# Allegro board board_orcad.brd (continued)
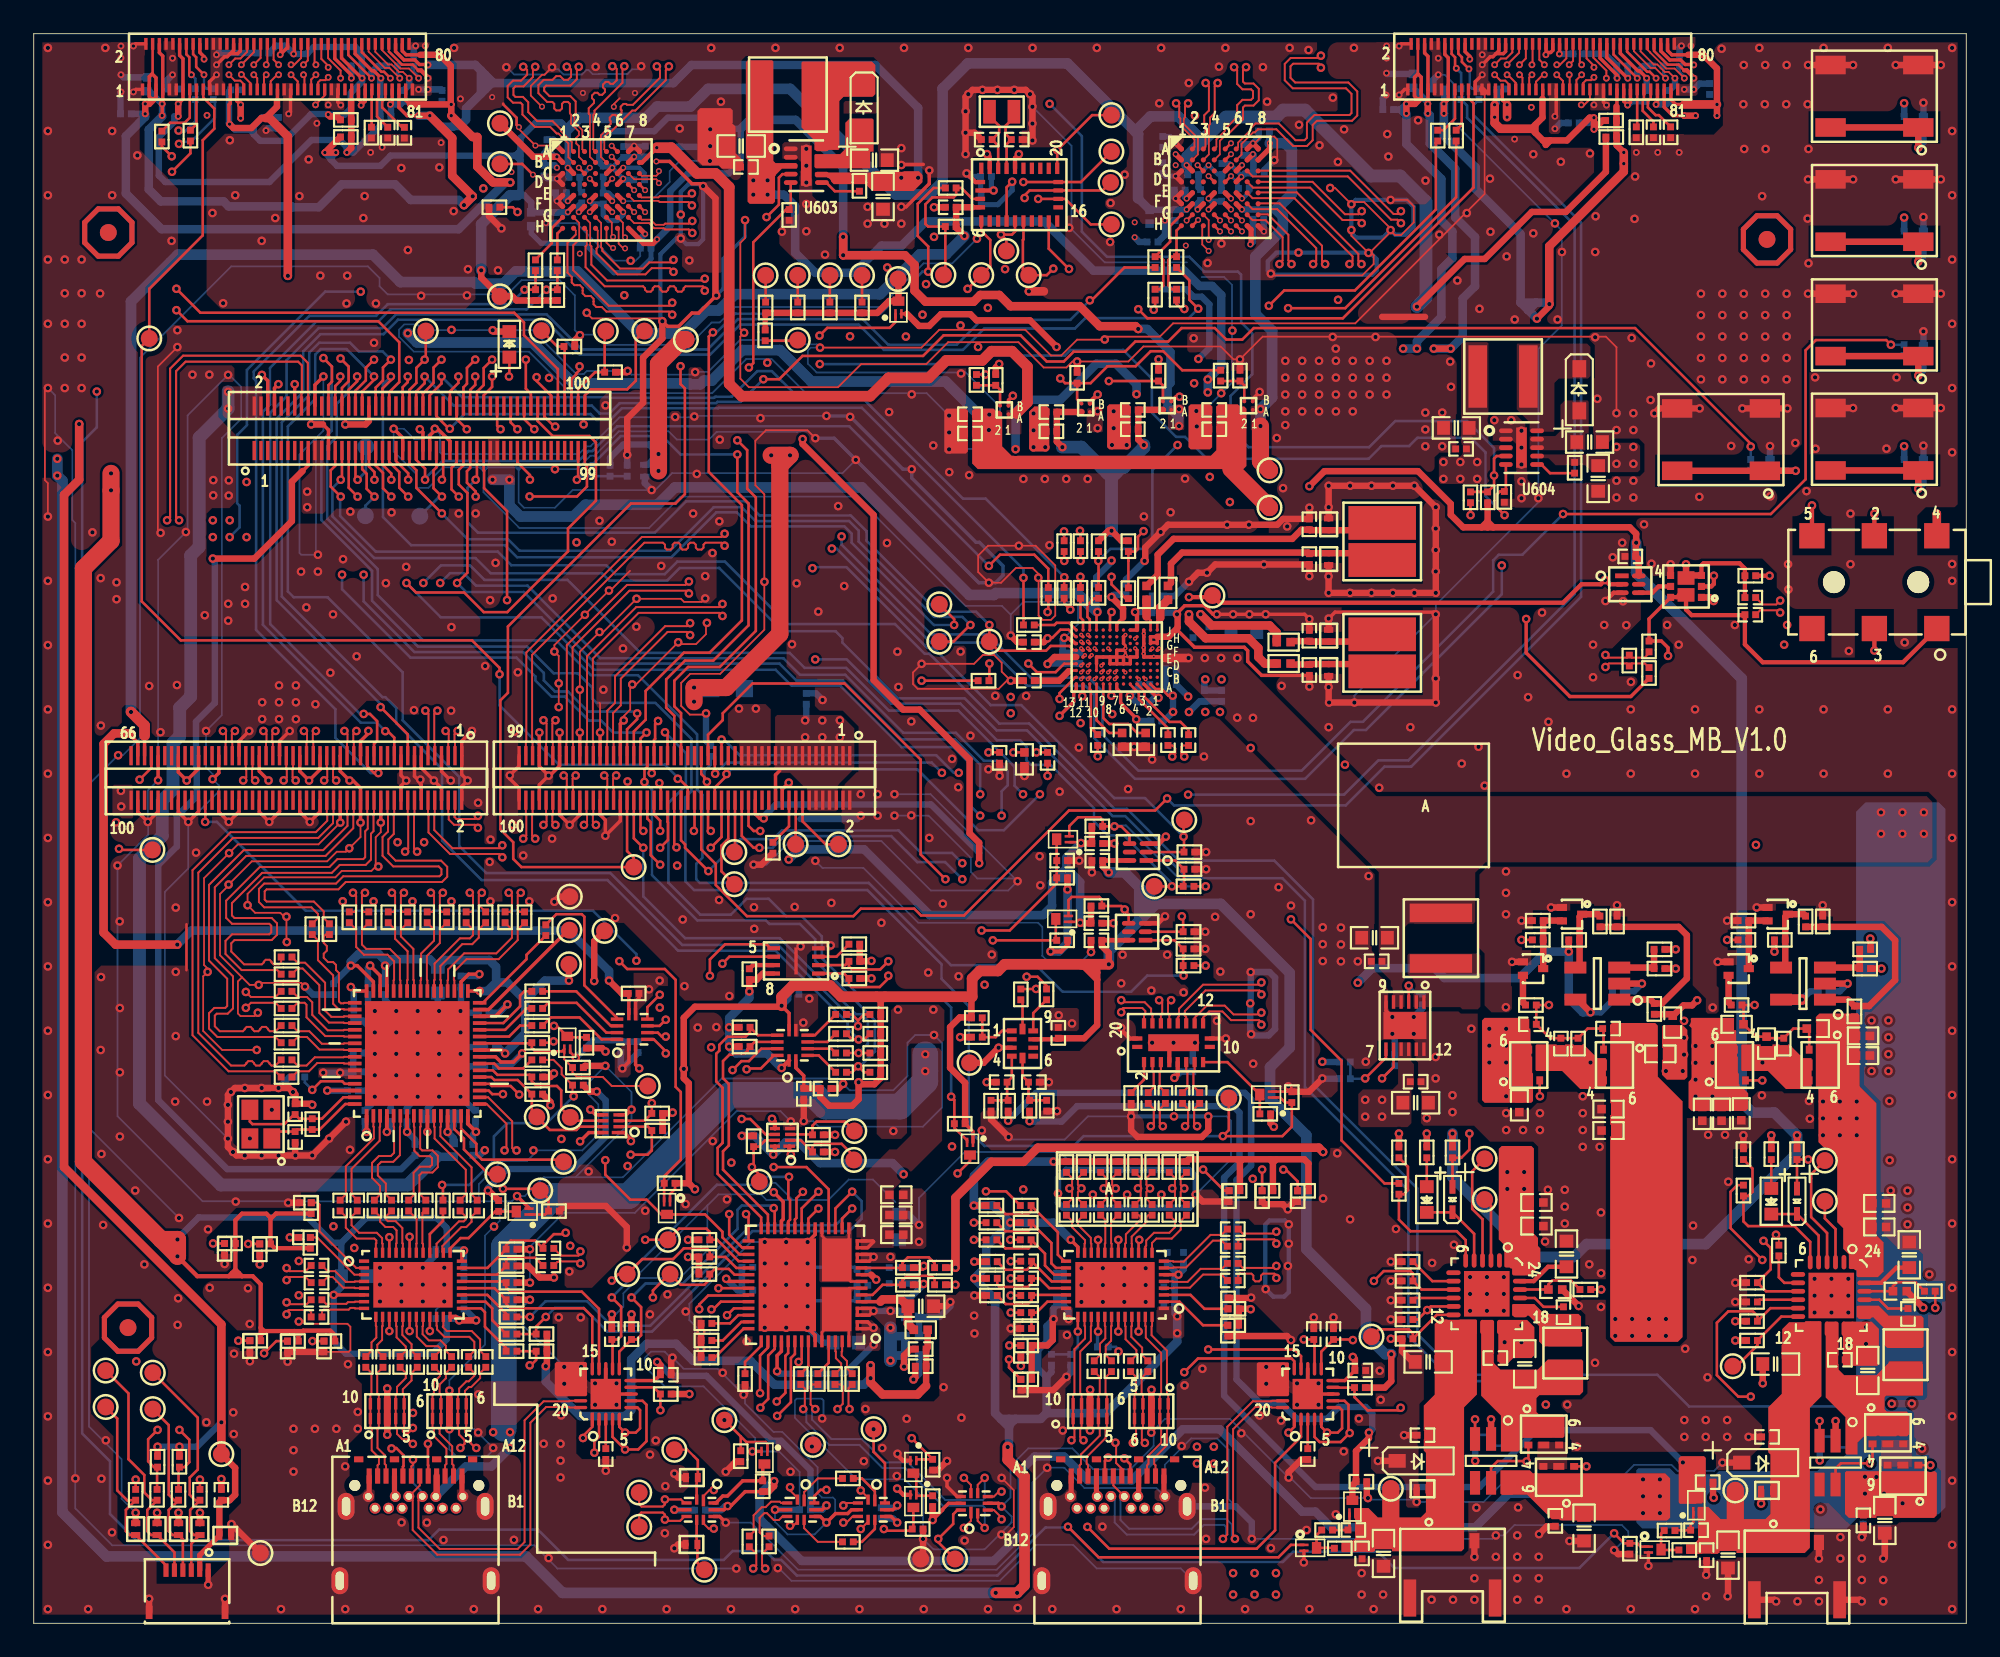
[diagram p0: board, top side]
## Routing (per net, layer and track width the routed paths; a pad name or vN(x,y) marks a point on that pad's centre or on a via; arc(x,y) is an arc through that point) (continued)
  ART06 w0.122: v1(43.94,6.73) 43.94,5.59 44.45,5.08 45.82,5.08 46.81,4.09 51.9,4.09 52.72,4.9 v1(52.72,5)
  ART06 w0.152: v1(62.1,21.05) v1(63.37,21.05) v1(64.64,21.05) v1(65.91,21.05) ; v1(68.87,25.42) 68.87,24.45 66.67,22.25 59.56,22.25 59.39,22.07 57.56,22.07 57.2,21.72 57.2,20.35 57.58,19.96 62.02,19.96 v1(62.1,20.05)
  ART06 w0.203: v1(69.44,41) 69.44,42.14 70.03,42.72 70.03,50.72 v1(69.37,51.38) ; v1(65.91,21.05) 67.46,21.05 72.26,25.85 v1(72.26,26.35) 72.26,33.15 v1(72.28,33.17) 72.16,33.17 v1(70.67,34.67) 70.67,36.48 71.75,37.57 71.75,38.23 v1(72.14,38.61) v1(72.14,42.03) v1(72.14,47.55) v1(72.14,51.89) 71.02,53.01 67.13,53.01 66.29,52.17 v1(66.29,51.21) ; v1(61.95,51.92) 62.76,51.92 64.97,54.13 v1(64.97,54.99) 65.43,54.99 ; v1(69.44,39.98) 70.08,39.34 70.08,38.46 68.83,37.21 v1(68.83,34.42) 68.83,33.45 71.06,31.22 71.06,26.77 69.71,25.42 v1(68.87,25.42)
  ART06 w0.254: v1(69.37,51.38) 68.55,50.57 66.93,50.57 v1(66.29,51.21)
  ART06 w0.381: 72.2,5.23 v1(72.2,5) 72.2,4.7 71.82,4.32 70.18,4.32 v1(69.49,5) 69.49,5.23 69.87,5.61 71.82,5.61 72.2,5.23
  BOTTOM w0.102: v1(40.08,86.69) 40.07,86.7 38.31,86.7 37.7,86.09 37.7,85.45 36.56,84.31 v2(34.94,84.31) ; v1(29.41,19.18) 28.91,18.67 28.91,17.75 31.45,15.21 v1(31.45,15.2) ; v1(45.64,29.77) 46.2,29.77 46.53,29.44 52.7,29.44 53.85,30.58 53.85,34.39 v1(53.37,34.87) 52.25,34.87 51.79,34.42 51.79,32.44 50.95,31.6 48.36,31.6 v1(47.98,31.98) 47.67,32.29 40.78,32.29 34.92,26.44 32.12,26.44 ; 58.16,44.16 55.93,44.16 55.54,44.54 55.54,45.37 53.04,47.88 v1(51.02,47.88) ; 58.16,44.16 53.16,49.15 v1(51.02,49.15) ; 58.16,44.16 v1(58.32,43.99) 57.76,43.44 53.18,43.44 50.25,46.38 44.84,46.38 43.44,44.97 v1(42.67,44.97) ; 32.12,26.44 35.43,29.76 v1(35.43,30.45) 35.43,31.5 v1(33.88,33.05) 32.89,32.05 32.89,31.34 33.47,30.76 33.47,28.99 32.51,28.03 v1(29.62,28.03) 29.62,27.79 29.25,27.42 27.77,27.42 26.39,26.04 26.39,25.04 26.41,25.02 ; 32.12,26.44 30.23,26.44 29.11,25.32 v1(28.65,25.32) 28.35,25.02 ; 28.35,25.02 27.62,24.3 27.62,23.86 v1(27.28,23.52) 26.75,22.98 26.75,16.51 24.64,14.4 v1(24.64,13.79) ; 28.35,25.02 26.41,25.02 ; v1(46.99,71.58) 43.21,71.58 v1(43.08,71.45) 42.95,71.58 39.19,71.58 v1(39.16,71.54) 39.11,71.5 34.72,71.5 33,69.77 32.77,69.77 32.31,69.32 24.18,69.32 24.08,69.42 24.08,70.51 v1(23.77,70.82) 23.75,70.82 23.14,70.21 22.56,70.21 21.95,70.82 v1(21.34,70.82) 21.34,69.47 22.66,68.15 22.66,67.41 22.76,67.31 23.39,67.31 23.7,67.61 23.7,67.97 24.26,68.53 26.47,68.53 ; v1(0.84,73.23) 1.27,72.8 1.27,70.56 2.29,69.55 2.29,65.41 2.46,65.23 v1(2.46,8.59) 2.46,6.81 4.65,4.62 29.67,4.62 31.05,3.24 v1(41.65,3.24) ; v1(34.26,18.31) 34.49,18.31 34.95,18.77 34.95,19.56 35.86,20.47 ; v1(61.09,58.42) 61.9,59.23 61.9,60.29 61.63,60.55 58.67,60.55 57.91,59.8 ; v1(28.01,92.25) 28.05,92.25 28.48,91.82 30.29,91.82 v1(30.72,92.25) 30.83,92.25 30.95,92.13 31.1,92.13 31.41,91.82 32.5,91.82 32.77,92.08 32.89,92.08 33.13,91.84 33.49,91.84 33.5,91.85 35.2,91.85 35.47,92.13 35.83,92.13 v1(36.01,92.31) ; 39.93,24.77 35.86,20.7 35.86,20.47 ; 39.93,24.77 40.59,25.43 43.1,25.43 ; 39.93,24.77 39.93,22.1 38.3,20.47 35.86,20.47 ; J502.4 67.99,3.25 63.01,3.25 61.62,4.64 59.39,4.64 57.27,2.52 44.91,2.52 44.16,3.27 v1(44.1,3.27) ; 28.82,68.45 28.75,68.37 28.75,68.37 ; 28.82,68.45 28.81,68.46 28.66,68.46 ; 28.82,68.45 28.91,68.53 ; 16.73,70.26 16.73,63.46 v1(16.85,63.35) 15.85,63.35 15.75,63.45 15.75,69.29 16.73,70.26 ; 16.73,70.26 17.17,70.7 v1(17.17,73.91) ; v1(46.33,45.2) 46.75,44.78 49.18,44.78 52.43,41.53 59.53,41.53 59.78,41.28 59.78,39.57 60.27,39.09 61.97,39.09 v1(62.67,39.79) ; 26.47,68.53 26.47,68.48 26.66,68.3 26.69,68.3 ; 26.47,68.53 26.92,68.53 ; v1(43.94,6.73) 43.94,6.01 44.68,5.27 46.29,5.27 v1(46.99,5.97) 47.51,6.49 47.51,7.33 47.38,7.45 46.73,7.45 46.47,7.72 46.47,9.25 44.37,11.34 43.85,11.34 42.16,13.03 42.16,13.46 v1(42.08,13.55) 40.54,15.09 38.52,15.09 v1(37.86,15.75) 37.75,15.75 37.4,16.1 36.59,16.1 36.24,15.75 36.24,15.21 37.4,14.05 39.7,14.05 42.77,10.98 42.77,10.36 v1(42.6,10.19) 44.18,10.19 45.4,8.97 C436.2 ; 26.41,25.02 10.01,25.02 4.97,30.06 v1(4.97,44.92) 6.78,46.74 6.78,47.49 v1(6.76,47.51) 6.76,49.37 v1(7.37,49.98) 7.37,63.05 v1(9.02,64.69) 9.12,64.8 9.12,71.61 v1(11.52,74.01) 11.59,74.01 12.29,73.3 12.29,71.4 11.15,70.26 11.15,53.84 v1(10.21,52.9) 10.21,50.73 10.6,50.34 v1(10.6,50.04) 10.97,49.67 10.97,49.32 v1(9.16,47.51) 9.16,44.75 7.77,43.36 7.77,32.47 v1(11.51,28.73) ; 26.92,68.53 26.69,68.3 ; 26.92,68.53 28.59,68.53 ; 26.69,68.3 26.66,68.27 26.66,67.06 28.79,64.93 36.48,64.93 38.34,66.79 48.75,66.79 55.23,60.31 57.4,60.31 57.91,59.8 ; C630.2 35.95,81.06 35.68,80.78 34.4,80.78 32.18,83 C609.2 ; 28.66,68.46 28.59,68.53 ; 28.66,68.46 28.75,68.37 ; v1(29.41,20.19) v1(29.41,22.17) 29.41,22.33 31.42,24.33 35.64,24.33 41.67,30.36 44.26,30.36 v1(44.88,29.75) ; v1(72.2,5) 86.47,5 v1(86.67,5.21) 87.16,5.21 87.77,5.82 94.14,5.82 94.52,5.44 94.52,5.17 v1(93.68,4.33) ; 69.23,79.81 70.56,79.81 71.03,79.34 71.03,73.54 69.44,71.95 69,71.95 v1(68.92,71.87) ; v1(52.48,23.62) 52.48,25.22 55.19,27.94 60.83,27.94 61.9,26.87 ; v1(78.28,54.58) 78.28,54.99 v1(83.11,59.82) 83.11,60.38 89.19,66.46 v1(89.19,66.7) 89.19,75.55 90.58,76.94 90.58,82.58 84.15,89 84.15,91.29 83.64,91.8 v5(83.26,91.8) ; v1(39.56,17.27) 38.86,17.97 38.86,18.95 42.52,22.6 v1(43.33,22.6) ; 55.22,69.62 56.9,69.62 57.28,70 57.28,72.12 55.24,74.15 46.41,74.15 45.88,74.68 45.88,75.45 46.06,75.63 v1(46.61,75.63) 46.42,75.82 45.09,75.82 44.83,76.07 41.86,76.07 39.97,74.19 39.22,74.19 v1(39.21,74.17) 39.06,74.03 35.42,74.03 v1(35.2,74.24) 32.79,74.24 32.6,74.06 32.55,74.06 32.54,74.06 32.17,74.06 31.9,74.32 31.9,74.33 29.57,76.66 v1(27.2,76.66) 23.08,76.66 22.74,77 21.96,77 21.65,76.7 21.65,76.26 22.53,75.39 29.36,75.39 31.78,72.96 34.21,72.96 34.25,72.93 40.21,72.93 42.24,74.96 43.74,74.96 45.77,72.92 52.93,72.92 v1(54.26,71.6) ; 44.98,25.1 43.97,26.11 43.66,26.11 43.1,25.55 43.1,25.43 ; 44.98,25.1 43.43,25.1 43.1,25.43 ; 44.98,25.1 47.1,25.1 48.31,26.3 49.74,26.3 51.08,24.97 ; v1(69.62,30.05) 70.71,30.05 70.97,29.79 70.97,27.51 v1(68.87,25.42) ; 28.91,68.53 30.78,68.53 v1(30.9,68.42) 32.2,68.42 33,69.22 33.23,69.22 34.68,70.66 37.63,70.66 38.12,70.18 40.02,70.18 40.48,70.63 45.27,70.63 45.3,70.66 45.92,70.66 v1(46.33,70.26) ; 28.91,68.53 28.59,68.53 ; v1(48.73,68.97) 47.94,68.18 37.84,68.18 36.84,67.18 v1(36.63,67.18) 31.94,67.18 30.89,66.13 29.06,66.13 28.75,66.45 28.75,68.37 ; C410.2 23.84,18.58 v1(24.33,19.08) ; 3.28,29.36 3.28,11.66 5.21,9.73 5.21,7.38 v1(6.04,6.55) ; 3.28,29.36 3.28,49.73 v1(5,51.46) 5.28,51.46 6.3,52.48 6.3,75.03 11.71,80.44 19.81,80.44 20.5,79.76 20.5,79.26 20.98,78.79 28.08,78.79 28.92,79.62 31.17,79.62 32.07,78.72 32.07,76.67 v1(32.37,76.36) 32.41,76.39 33.23,76.39 33.83,75.79 38.86,75.79 40.18,77.11 40.66,77.11 41.57,78.03 50.15,78.03 52.75,80.62 54.45,80.62 v1(55.91,82.08) ; 3.28,29.36 v1(8.61,24.03) ; 57.91,59.8 v1(57.91,58.56) ; v1(65.05,30.05) 62.48,30.05 61.11,28.68 57.94,28.68 v1(57.78,28.83) ; 68.36,80.68 63.48,80.68 61.51,82.65 61.51,87.59 v1(59.2,89.91) ; v1(100.1,9.53) 99.61,9.03 97.44,9.03 97.08,9.39 94.86,9.39 93.83,8.36 87.11,8.36 85.94,7.19 v1(81.97,7.19) 81.84,7.33 79.18,7.33 v1(79.09,7.42) 75.7,7.42 74.48,8.64 v1(74.39,8.64) 70.91,12.12 67.06,12.12 v1(66.24,11.3) 66.39,11.16 66.39,10.51 65,9.13 62.8,9.13 61.56,10.37 58.95,10.37 57.9,9.32 57.9,7.46 v1(57.37,6.92) 57.96,6.33 57.96,5.98 56.36,4.38 53.33,4.38 v1(52.72,5) 52.72,7.43 51.61,8.53 48.76,8.53 45.12,12.18 45.12,13.21 45.22,13.31 46.71,13.31 46.81,13.21 46.81,12.22 v1(46.74,12.14) ; v1(41.02,5.97) 42.51,5.97 45.31,3.17 57.07,3.17 59.2,5.3 59.2,8.35 v1(60.07,9.22) 61.09,9.22 62.29,8.02 66.55,8.02 J502.B1 67.05,9.4 68.61,10.96 70.15,10.96 70.82,10.29 70.82,7.36 71.25,6.93 ; 24.64,10.31 25.04,9.91 26.87,9.91 27.23,10.27 v1(27.23,10.39) 26.12,11.51 v1(24.64,11.51) 24.64,10.31
  BOTTOM w0.203: C801.2 48.68,21.11 46.1,21.11 v1(45.87,21.33) ; v1(46.99,71.58) 48.36,71.58 51.52,68.42 v1(52.04,68.42) 52.04,67.89 55.85,64.08 56.05,64.08 57.45,62.68 57.45,62.13 57.01,61.69 v1(56.62,61.69) 56.02,61.69 v1(48.73,68.97) 47.45,70.26 v1(46.33,70.26) ; v1(42.16,83.19) 42.16,82.2 40.87,80.91 40.87,79.13 v1(40.46,78.71) ; v1(45.87,18.79) 46.21,19.13 48.75,19.13 C804.2
  BOTTOM w0.254: v1(69.62,30.05) v1(67.59,30.05) v1(65.05,30.05) ; C618.2 32.36,84.96 C612.2 32.4,85.72 v2(32.96,86.29) ; v1(37.26,77.19) 37.15,77.3 37.15,81.17 38.07,82.09 v1(38.35,82.09) ; v2(34.94,86.29) 35.88,86.29 36.21,85.96 C633.2 ; C625.2 70.18,85.9 v2(69.64,86.44) 69.07,85.88 C610.2 ; v2(71.62,84.46) 71.67,84.46 72.05,84.84 R684.2 ; v1(38.35,82.09) v1(38.35,83.52) 38.35,84.86 38.81,85.32 39.56,85.32 v1(39.68,85.2) 39.68,82.05 39.4,81.76 38.68,81.76 v1(38.35,82.09) ; 78.37,82.15 78.11,82.42 v1(78.11,82.6) v1(78.11,84.13) 78.36,84.38 v1(80.43,84.38) 81.38,84.38 81.79,83.97 81.79,82.8 81.31,82.32 80.7,82.32 v1(80.43,82.59) 79.99,82.15 78.37,82.15 ; v1(74.4,23.65) 74.16,23.88 73.25,23.88 73,23.63 73,19.84 v1(73.03,19.81) 73.47,19.36 74.13,19.36 74.4,19.63 v1(74.4,22.5) v1(74.4,23.65) ; 73.15,80.75 73.67,81.26 v1(74.97,81.26) 79.1,81.26 v1(79.12,81.24) 79.24,81.24 79.6,80.87 79.6,80.21 79.33,79.94 73.4,79.94 v1(73.33,80.01) 73.15,80.19 73.15,80.75
  BOTTOM w0.305: C616.2 30.93,84.39 v2(31.01,84.31) ; v2(34.29,84.31) 34.29,84.58 34.08,84.79 C613.2 C632.2 ; C620.2 67.36,88.14 67.69,87.81 v2(67.69,87.74) ; v2(35.59,87.59) 35.61,87.57 C634.2 ; C617.2 30.41,85.64 v2(31.01,85.64) ; C1103.2 56.13,84.77 C1101.2 55.48,85.78 v1(55.3,85.96) ; C619.2 67.09,85.79 v2(67.69,85.79)
  BOTTOM w0.381: C642.1 7.9,91.47 v5(8.23,91.8) ; v2(30.36,83.01) 30.95,83.01 C609.2 ; T1104.1 v1(112.01,83.37) ; v1(21.49,31.22) 21.16,30.89 C727.2 ; R818.1 82.32,36.46 v1(81.8,35.94) ; C1028.2 C1027.2 69.11,54.66 v1(68.48,54.03) ; v1(16.08,37.74) 16.55,37.27 C714.2 ; C626.2 72.91,82.52 v2(72.92,82.51) ; C628.2 67.05,82.3 v2(67.05,83.17) 67.65,83.17 C611.2 ; v1(32.13,33.53) 33.17,34.57 34.71,34.57 C704.2 34.8,34.48 C703.2 ; v5(80.16,90.6) 79.97,90.41 C662.1 ; v1(20.22,33.76) 20.17,33.81 C722.2 ; C615.2 40.06,87.53 v1(40.1,87.57) ; R304.1 39.85,52.31 v1(39.85,53.94) ; v5(13.77,88.49) 13.9,88.63 C639.2 ; J502.2 71.25,6.93 72.2,5.98 v1(72.2,5) ; v1(26.74,28.04) 26.44,27.75 C711.2 ; C535.2 52.48,14.79 v1(52.15,14.45) ; C651.1 94.71,90.23 v5(94.48,90) ; T1103.1 v1(112.01,69.81) ; C709.2 23.95,36.37 v1(24.03,36.3) ; C710.2 25.7,34.16 v1(25.3,33.76) ; C718.2 25.83,33.02 v1(25.3,32.49) ; v1(49.02,47.88) 48.82,47.68 45.46,47.68 ; v2(31.01,87.59) 31.01,87.75 30.81,87.95 C614.2 ; v2(67.69,84.46) 67.61,84.54 C621.2 ; v1(73.53,86.74) 72.94,86.15 C627.2 ; C715.2 19.86,31.57 v1(20.22,31.22) 20.22,30.98 C724.2 ; C658.1 96.76,90.04 v5(96.17,90.04) ; T411.1 36.22,67.59 v1(36.63,67.18) ; v1(68.83,34.42) 68.71,34.29 C529.2 ; v5(93.86,91.6) 93.84,91.62 C653.2 93.13,93.04 C654.1 ; v5(22.64,93.51) 22.53,93.41 C646.1 ; C524.2 46.37,55.13 v1(46.76,54.74) ; C643.1 20.4,92.33 20.02,91.95 v5(20.02,91.6) ; C719.2 25.4,36.2 v1(25.3,36.3) 25.32,36.32 C720.2 ; C1020.2 64.74,61.88 v1(65.85,62.98) ; C641.2 10.94,93.09 v5(10.83,92.99) ; v1(80.53,34.94) 80.67,34.81 R819.1 ; C713.2 20.83,36.96 v1(21.49,36.3) ; C650.1 80.24,91.85 v5(80.19,91.9) ; v5(95.05,91.6) 95.05,91.95 95.43,92.33 C657.1 ; C1023.2 67,53.49 v1(67.53,54.03) 67.53,54.97 v1(67.51,54.99) 67.41,55.1 67.33,55.1 67.08,55.34 C1029.2 C1030.2 ; v1(52.48,23.62) 51.84,24.25 C814.1 ; v1(37.97,6.73) 38,6.71 C437.2 ; C1021.2 C1033.2 60.99,58.32 v1(61.09,58.42) ; C1018.2 67.68,59.91 v1(67.77,59.82) ; v5(18.83,91.6) 18.83,92.31 C640.1 ; v1(109.63,3.84) 109.7,3.91 C917.1 ; v5(5.17,91.8) 5.32,91.65 C636.1 ; C726.2 20.02,32.69 v1(20.22,32.49) ; v1(23.06,21.08) 23.84,21.85 C413.2 ; C802.2 C804.2 ; v1(63.89,63) 63.89,62.92 62.98,62.01 C1032.2 ; v1(14.51,31.73) 15.16,32.38 R713.1 ; v5(90.17,88.6) 90.52,88.95 C652.1 ; C821.2 94.87,37.47 v1(95.33,37.92) ; v5(97.84,90.93) v5(98.4,90.93) 98.75,91.28 C649.1 ; C624.2 69.04,85.12 C610.2 ; v1(68.48,61.75) 67.63,60.9 C1024.2 ; v5(5.17,90.78) 5.14,90.75 C648.1 ; C625.2 70.41,85.87 C622.2 ; v1(107.52,37.92) 107.06,37.47 C830.2 ; C919.2 108.43,5.18 v1(108.36,5.11) ; v5(97.67,93.51) 97.56,93.41 C660.1 ; C712.2 22.12,30.58 v1(22.76,31.22) ; v1(24.03,31.22) 23.37,30.56 C717.2 ; v1(20.22,35.03) 19.52,35.72 C723.2 ; v5(83.26,91.8) 82.97,91.51 C656.1 ; C805.2 52.65,21.08 v1(52.76,21.18) ; C631.2 35.54,87.54 v2(35.59,87.59) ; C725.2 19.81,36.7 v1(20.22,36.3) ; R921.1 v1(105.87,9.65) ; T1102.1 v1(112.01,76.59) ; C803.2 51.87,19.2 52.76,20.09 v1(52.76,20.12) 52.68,20.12 52.65,20.14 C834.2 ; R860.2 76.4,32.28 v1(76.38,32.3) ; v2(36.24,82.36) 35.95,82.07 C630.2 ; C813.1 46.76,16.64 v1(45.87,17.52) ; C1019.2 65.51,55.53 v1(64.97,54.99) 65.34,54.62 C1022.2 ; C436.2 v1(43.94,6.73) ; C629.2 72.2,87.67 v2(72.27,87.74) 72.6,88.08 C623.2 ; v1(25.3,31.22) 26.1,30.42 C716.2 ; v1(54.33,19.05) 54.33,18.8 53.7,18.16 C815.2 C536.2 ; T1110.1 v1(102.92,69.79) ; R919.1 v1(85.45,9.63) ; R429.1 v1(35.18,69.27) ; R513.2 61.47,14.86 v1(61.21,14.61) ; C635.1 24.15,90.93 v5(23.37,90.93) v5(22.81,90.93) ; C644.1 21.74,90.04 v5(21.14,90.04) 21.17,90.01 C637.1 ; C438.2 50.94,6.21 v1(51.18,5.97) ; T1101.1 v1(112.01,90.14) ; 72.14,36.78 v1(72.11,36.75) 72.11,34.98 v1(72.16,34.92) 72.24,34.85 73.2,34.85 73.58,35.23 73.58,38.28 73.25,38.61 v1(72.14,38.61) 72.14,36.78 ; v1(68.87,25.42) 68.87,26.48 68.48,26.87 61.19,26.87 60.72,26.4 v1(60.72,25.48) 60.72,24.93 61.01,24.64 68.49,24.64 68.87,25.02 v1(68.87,25.42)
  vias: v1(0.84,93.4) v1(0.84,88.47) v1(0.84,80.85) v1(0.84,77.04) v1(0.84,61.8) v1(0.84,57.99) v1(0.84,54.18) v1(0.84,50.37) v1(0.84,46.56) v1(0.84,42.75) v1(0.84,38.94) v1(0.84,35.13) v1(0.84,31.32) v1(0.84,27.51) v1(0.84,23.7) v1(0.84,19.89) v1(0.84,16.08) v1(0.84,12.27) v1(0.84,8.46) v1(0.84,4.65) v1(0.84,0.84) v1(1.42,70.11) v1(1.84,80.85) v1(1.84,78.85) v1(1.84,77.04) v1(1.84,75.04) v1(1.84,73.23) v1(2.84,80.85) v1(2.84,78.85) v1(2.84,77.04) v1(2.84,75.04) v1(2.84,73.23) v1(3.23,0.84) v1(3.48,64.67) v1(3.93,78.84) v1(3.97,61.96) v1(3.98,53.22) v1(3.99,38.31) v1(3.97,33.99) v1(4.01,27.82) v1(4.01,8.57) v1(4.11,23.61) v1(4.24,93.4) v1(4.27,10.85) v1(4.65,88.47) v1(4.65,84.66) v1(4.64,5.39) v1(4.91,61.71) v1(4.91,60.71) v1(4.88,47.48) v1(5.1,41.61) v1(5.11,36.47) v1(5.11,32.66) v1(5.11,28.85) v1(6.01,25.65) v1(6.14,87.02) v1(6.08,15.52) v1(6.56,21.28) v1(6.84,55.57) v1(7.51,52.83) v1(8.42,42.43) v1(8.42,38.62) v1(8.42,34.81) v1(8.38,30.93) v1(8.51,76.66) v1(8.53,17.69) v1(8.56,19.27) v1(9.41,74.02) v1(9.62,45.68) v1(10.14,59.76) v1(10.27,30.93) v1(10.33,23.35) v1(10.41,74.02) v1(10.43,19.89) v1(10.64,67.77) v1(10.64,66.87) v1(11.23,78.26) v1(11.53,60.44) v1(11.53,59.44) v1(11.56,67.76) v1(11.56,66.85) v1(11.83,12.5) v1(11.87,15.98) v1(11.86,11.22) v1(11.97,25) v1(12.53,61.44) v1(12.53,60.44) v1(12.7,19.86) v1(12.81,28.74) v1(12.8,17.74) v1(13.54,54.6) v1(13.54,53.6) v1(14.11,30.44) v1(14.54,55.6) v1(14.54,54.6) v1(14.54,53.6) v1(14.66,0.84) v1(15.4,11.53) v1(15.4,10.26) v1(15.4,8.99) v1(15.54,55.6) v1(15.54,54.6) v1(15.54,53.6) v1(15.85,62.35) v1(16.3,86.78) v1(16.67,11.53) v1(16.85,62.35) v1(16.99,79.89) v1(17.94,11.53) v1(18.33,63.08) v1(18.54,78.24) v1(18.46,9.3) v1(18.47,0.84) v1(18.58,79.89) v1(18.75,28.07) v1(18.77,65.9) v1(19.21,12.53) v1(19.21,11.53) v1(20.17,75.91) v1(20.28,78.24) v1(20.52,21.08) v1(20.52,20.08) v1(20.52,19.08) v1(21.21,65.86) v1(21.49,35.03) v1(21.49,33.76) v1(21.49,32.49) v1(21.56,46.3) v1(21.79,21.08) v1(21.79,20.08) v1(21.79,19.08) v1(21.8,5.98) v1(22.08,62.63) v1(22.28,0.84) v1(22.54,54.13) v1(22.48,12.47) v1(22.76,36.3) v1(22.76,35.03) v1(22.76,33.76) v1(22.76,32.49) v1(22.96,78.7) v1(23.14,46.3) v1(23.06,20.08) v1(23.06,19.08) v1(23.3,5.97) v1(24.03,35.03) v1(24.03,33.76) v1(24.03,32.49) v1(24.33,21.08) v1(24.33,20.08) v1(24.29,4.94) v1(24.77,76.68) v1(24.76,59.05) v1(24.76,42.8) v1(25.2,65.79) v1(25.3,35.03) v1(25.68,78.72) v1(26.2,65.79) v1(26.34,11.31) v1(26.36,13.57) v1(27.08,46.46) v1(28.41,47.34) v1(28.48,52.85) v1(28.46,4.94) v1(29.01,45.52) v1(30.55,73.83) v1(30.52,3.87) v1(31.12,18.14) v1(31.23,9.64) v1(31.23,8.64) v1(31.28,28.71) v1(31.27,12.32) v1(32.18,64.08) v1(32.42,18.13) v1(32.59,71.07) v1(32.67,59.79) v1(33.27,14.22) v1(33.27,12.95) v1(35.2,49.91) v1(36.53,10) v1(36.63,50.4) v1(36.87,10.84) v1(37.44,8.13) v1(37.41,5.34) v1(37.57,19.5) v1(38.02,71.52) v1(38.14,44.92) v1(38.64,24.85) v1(38.65,18.48) v1(39.36,35.32) v1(40.46,35.34) v1(40.67,70.17) v1(40.84,14.85) v1(41.09,25.13) v1(41.23,37.19) v1(42.69,42.45) v1(43.33,20.06) v1(43.33,18.79) v1(43.97,93.4) v1(44.6,22.6) v1(44.6,21.33) v1(44.6,20.06) v1(44.6,18.79) v1(44.6,17.52) v1(44.95,58.04) v1(44.86,8.98) v1(45.8,87.41) v1(45.8,86.41) v1(45.8,85.41) v1(45.8,84.14) v1(45.8,82.52) v1(45.87,20.06) v1(46.9,81.14) v1(47.78,93.4) v1(48.04,61.49) v1(49.2,9.61) v1(49.43,83.97) v1(49.43,82.97) v1(50.02,47.88) v1(50.3,10.39) v1(50.43,82.97) v1(51.2,57.6) v1(51.23,36.38) v1(51.16,8.73) v1(51.43,87.45) v1(51.59,93.4) v1(51.74,12.13) v1(53.32,36.38) v1(53.93,14) v1(54.26,70.6) v1(54.26,69.6) v1(54.27,68.24) v1(54.44,51.25) v1(54.8,49.57) v1(54.94,57.61) v1(54.97,74.09) v1(54.99,12.19) v1(55.4,93.4) v1(55.45,68.07) v1(55.52,52.62) v1(55.74,18.24) v1(55.76,17.18) v1(56.2,29.22) v1(56.59,50.63) v1(57,54.98) v1(58.66,67.84) v1(58.83,54.98) v1(59.21,93.4) v1(59.26,71.72) v1(59.26,70.72) v1(59.55,61.98) v1(59.63,45.47) v1(59.66,43.75) v1(59.93,67.84) v1(59.96,69.72) v1(60.21,63.91) v1(60.81,49.3) v1(61.2,67.84) v1(61.24,17.09) v1(61.54,35.56) v1(62.1,19.05) v1(62.47,67.84) v1(62.78,25.42) v1(63.02,93.4) v1(63.35,5.73) v1(63.37,20.05) v1(63.37,19.05) v1(63.91,69.85) v1(64.01,71.85) v1(64.54,39.63) v1(64.64,20.05) v1(64.64,19.05) v1(65.81,65.61) v1(65.91,20.05) v1(65.91,19.05) v1(66.72,90.11) v1(66.83,93.4) v1(67.19,39.63) v1(67.39,65.86) v1(68.05,10.51) v1(68.24,67.86) v1(68.16,37.4) v1(68.22,14.1) v1(68.76,76.18) v1(68.78,73.51) v1(68.94,70.95) v1(69.28,15.09) v1(69.42,8.04) v1(69.58,80.64) v1(69.71,67.96) v1(70.03,41.88) v1(70.14,35.72) v1(70.26,92.28) v1(70.34,38.63) v1(70.39,72.92) v1(70.64,93.4) v1(70.9,66.47) v1(71.05,76.64) v1(71.58,11.26) v1(72.66,12.31) v1(72.86,92.25) v1(73.06,14.2) v1(73.33,4.46) v1(73.69,70.27) v1(73.79,43.64) v1(73.93,12.01) v1(73.97,55.57) v1(74.06,67.29) v1(74.06,15.2) v1(74.19,74.84) v1(74.19,73.84) v1(74.19,72.84) v1(74.19,71.84) v1(74.19,71.03) v1(74.3,65.02) v1(74.45,93.4) v1(74.37,31.83) v1(74.52,42.55) v1(74.89,14.22) v1(74.89,12.95) v1(75.19,74.84) v1(75.19,73.84) v1(75.19,72.84) v1(75.19,71.84) v1(75.45,5.53) v1(75.56,93.27) v1(75.72,47.6) v1(76.19,74.84) v1(76.19,73.84) v1(76.19,72.84) v1(76.19,71.84) v1(76.16,12.95) v1(76.41,41.26) v1(76.41,40.26) v1(76.41,39.26) v1(76.43,25.18) v1(77.01,90.44) v1(77,76.26) v1(77.18,75.56) v1(77.19,74.84) v1(77.19,73.84) v1(77.19,72.84) v1(77.19,71.84) v1(77.19,6.46) v1(77.27,27.86) v1(77.49,41.24) v1(77.49,40.24) v1(77.49,39.24) v1(77.65,10.19) v1(78.19,74.84) v1(78.19,73.84) v1(78.19,72.84) v1(78.19,71.84) v1(78.26,93.4) v1(78.49,39.24) v1(78.55,12.14) v1(78.71,2.97) v1(78.71,1.7) v1(78.96,33.29) v1(79.13,44.3) v1(79.19,74.84) v1(79.19,73.84) v1(79.19,72.84) v1(79.84,13.25) v1(79.98,1.7) v1(80.19,74.84) v1(80.19,73.84) v1(80.19,72.84) v1(80.75,23.38) v1(81.8,34.94) v1(82.49,71.77) v1(82.49,70.77) v1(82.49,69.77) v1(82.58,29.95) v1(82.89,21.36) v1(83.1,33.57) v1(83.49,71.77) v1(83.49,69.77) v1(83.96,74.8) v1(84.01,73.3) v1(84.1,31.3) v1(84.1,30.3) v1(84.19,22.44) v1(84.95,83.6) v1(85.14,20.52) v1(85.14,19.52) v1(85.14,18.52) v1(85.22,35.25) v1(85.4,2.67) v1(85.52,6.85) v1(86.14,20.52) v1(86.14,19.52) v1(86.14,18.52) v1(86.58,71.32) v1(86.67,3.94) v1(87.14,20.52) v1(87.14,19.52) v1(87.14,18.52) v1(87.19,16.66) v1(87.27,44.57) v1(87.27,43.3) v1(87.27,42.03) v1(87.26,36.52) v1(87.28,30.24) v1(87.28,29.24) v1(87.58,71.32) v1(87.94,5.21) v1(87.94,3.94) v1(87.94,2.67) v1(87.99,6.87) v1(88.19,70.7) v1(88.19,69.7) v1(88.19,68.7) v1(88.19,67.7) v1(88.19,66.7) v1(88.19,17.66) v1(88.19,16.66) v1(88.28,29.24) v1(89.21,3.94) v1(89.21,2.67) v1(89.21,1.4) v1(89.28,30.24) v1(89.28,29.24) v1(89.41,59.92) v1(89.63,12.96) v1(89.75,25.7) v1(90.33,77.29) v1(90.59,81.3) v1(90.75,25.7) v1(90.75,24.7) v1(90.75,23.7) v1(90.86,50.37) v1(90.9,12.96) v1(90.86,0.84) v1(91.47,10.47) v1(91.82,31.24) v1(91.82,30.24) v1(91.82,29.24) v1(91.82,28.24) v1(92.25,87.14) v1(92.21,21.28) v1(92.55,15.44) v1(92.58,83.41) v1(92.56,81.3) v1(92.56,76.24) v1(92.68,72.59) v1(92.82,28.24) v1(92.9,24.35) v1(92.9,20.76) v1(92.9,18.76) v1(93.6,63.2) v1(93.82,70.74) v1(93.82,67.74) v1(93.82,66.74) v1(94.16,64.06) v1(94.21,60.59) v1(94.4,59.17) v1(94.72,76.2) v1(94.68,55.81) v1(94.67,54.18) v1(94.67,50.37) v1(94.67,0.84) v1(94.82,71.74) v1(94.82,70.74) v1(94.82,67.74) v1(94.82,66.74) v1(94.92,85.77) v1(94.89,83.26) v1(95.45,65.15) v1(95.84,72.52) v1(95.86,74.69) v1(95.9,62.81) v1(96.75,32.74) v1(97.75,32.74) v1(97.82,35.71) v1(97.82,34.71) v1(97.82,33.71) v1(97.84,12.05) v1(97.84,11.05) v1(97.89,16.28) v1(98.32,21.53) v1(98.36,23.58) v1(98.48,54.18) v1(98.48,50.37) v1(98.48,0.84) v1(98.73,66.78) v1(98.83,78.82) v1(98.83,77.55) v1(98.83,76.28) v1(98.83,75.01) v1(98.83,73.74) v1(99.11,12.05) v1(99.11,11.05) v1(99.14,1.6) v1(99.22,14.58) v1(99.25,28.96) v1(99.52,36.5) v1(100.05,93.34) v1(100.1,78.82) v1(100.1,77.55) v1(100.1,76.28) v1(100.1,75.01) v1(100.1,73.74) v1(100.25,28.96) v1(100.45,26.18) v1(100.38,12.05) v1(100.38,11.05) v1(100.62,69.79) v1(101.34,90.05) v1(101.37,92.38) v1(101.39,87.4) v1(101.37,78.82) v1(101.37,77.55) v1(101.37,76.28) v1(101.37,75.01) v1(101.37,73.74) v1(101.66,21.58) v1(102.09,46.15) v1(102.29,93.4) v1(102.29,54.18) v1(102.29,50.37) v1(102.44,31.3) v1(102.45,84.6) v1(102.64,92.38) v1(102.61,90.05) v1(102.64,78.82) v1(102.64,77.55) v1(102.64,76.28) v1(102.64,75.01) v1(102.64,73.74) v1(102.66,87.4) v1(102.94,66.81) v1(103.91,92.38) v1(103.88,90.05) v1(103.91,78.82) v1(103.91,77.55) v1(103.91,76.28) v1(103.91,75.01) v1(103.91,73.74) v1(103.99,62.79) v1(104.42,69.97) v1(104.55,1.3) v1(105.08,67.12) v1(105.15,90.05) v1(105.2,87.4) v1(105.15,83.28) v1(105.2,80.62) v1(105.23,30.97) v1(105.28,29.91) v1(105.59,73.86) v1(105.62,69.63) v1(105.56,20.42) v1(105.56,19.42) v1(105.56,18.42) v1(105.82,2.57) v1(105.82,1.3) v1(105.91,6.75) v1(106.1,93.4) v1(106.1,54.18) v1(106.1,50.37) v1(106.56,20.42) v1(106.56,19.42) v1(106.56,18.42) v1(107.09,5.11) v1(107.09,3.84) v1(107.56,20.42) v1(107.56,19.42) v1(107.56,18.42) v1(107.61,16.56) v1(107.69,65.79) v1(107.69,62.79) v1(108.36,3.84) v1(108.36,2.57) v1(108.61,17.56) v1(108.61,16.56) v1(108.94,35.74) v1(108.94,32.74) v1(109.63,2.57) v1(109.63,1.3) v1(109.82,69.64) v1(109.91,93.4) v1(109.91,54.18) v1(109.91,50.37) v1(109.94,35.74) v1(109.94,34.74) v1(109.94,33.74) v1(109.94,32.74) v1(110,30.96) v1(110.01,27.45) v1(110.07,25.65) v1(110.13,13.01) v1(110.42,73.86) v1(110.9,58.15) v1(111.07,25.65) v1(111.07,24.65) v1(111.07,23.65) v1(111.32,13.03) v1(111.93,10.35) v1(112.36,20.68) v1(113.72,93.4) v1(113.72,88.47) v1(113.72,84.66) v1(113.72,80.85) v1(113.72,77.04) v1(113.72,73.23) v1(113.72,69.42) v1(113.72,62.8) v1(113.72,61.8) v1(113.72,54.18) v1(113.72,50.37) v1(113.72,46.56) v1(113.72,42.75) v1(113.72,38.94) v1(113.72,35.13) v1(113.72,31.32) v1(113.72,27.51) v1(113.72,23.7) v1(113.72,19.89) v1(113.72,16.08) v1(113.72,12.27) v1(113.72,8.46) v1(113.72,4.65) v1(113.72,0.84) v2(28.32,86.03) v4(64.71,59.16) v4(64.71,58.2) v5(5.17,93.5) v5(5.17,92.79) v5(8.23,92.78) v5(16.78,88.93) v5(23.21,93.51) v5(80.2,93.5) v5(80.2,92.79) v5(83.26,92.78) v5(85.86,92.99) v5(95,87.2) v5(96.27,87.2) v5(97.54,87.2) v5(98.24,93.51)
